# Altium PCB MFC-Card-Template.PcbDoc (part 1 of 4) (continued)
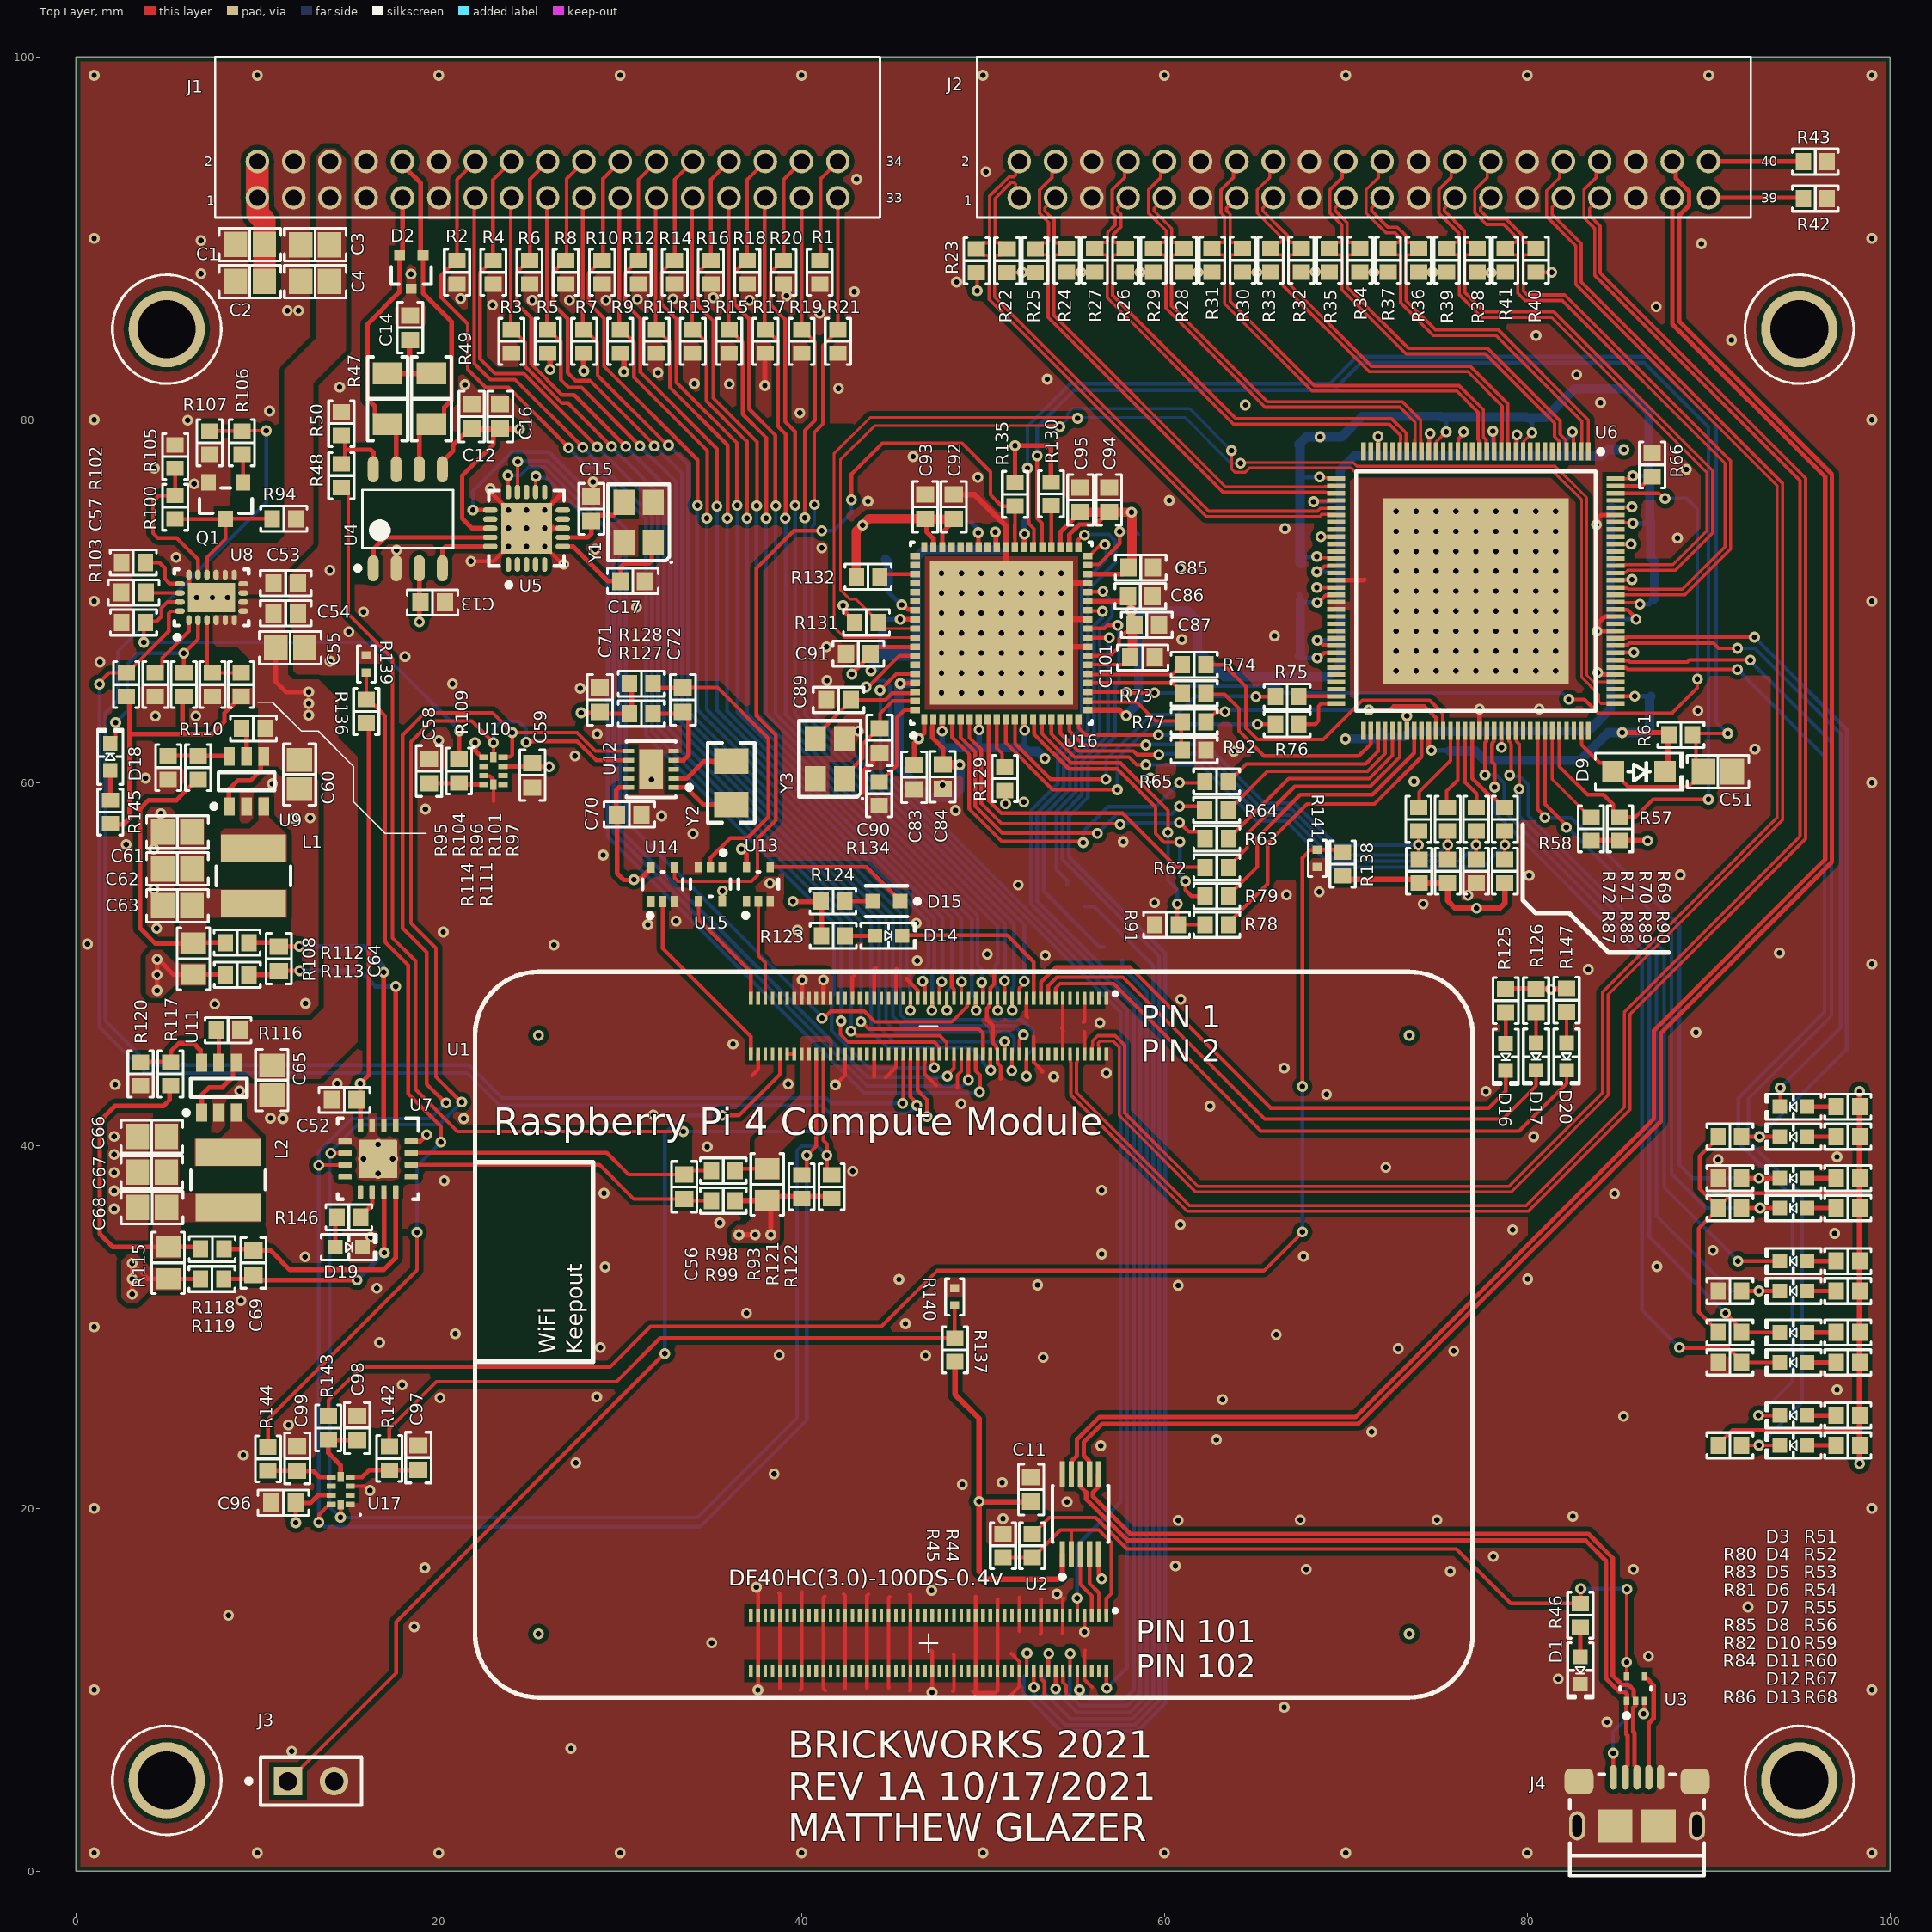
[diagram p0: Top Layer view]
## Components (designator, comment, footprint, x,y, rotation, side; value= is the part's Value field where it differs from the comment) (continued)
Y1 "16MHz" "EPSON TSX-3225" 31.015,74.35 r90 top
Y2 "32.768kHz" "ABRACON ABS07" 36.119,59.995 r270 top
Y3 "25MHz" "EPSON TSX-3225" 41.554,61.316 r90 top

## Footprints (in the part's own frame and the unit in brackets; to place one, negate y for a bottom-side part, rotate by r counter-clockwise, add the part's x,y. Pads: shape width x height; smd on the part's side, far side on the other; paste and mask are expansions set on the pad)
0878333420 [mm] "34 pin milli-grid header, right-angle"
  round 1.3 hole 0.9: 1(0,-2) 2(0,0) 3(2,-2) 4(2,0) 5(4,-2) 6(4,0) 7(6,-2) 8(6,0) 9(8,-2) 10(8,0) 11(10,-2) 12(10,0) 13(12,-2) 14(12,0) 15(14,-2) 16(14,0) 17(16,-2) 18(16,0) 19(18,-2) 20(18,0) 21(20,-2) 22(20,0) 23(22,-2) 24(22,0) 25(24,-2) 26(24,0) 27(26,-2) 28(26,0) 29(28,-2) 30(28,0) 31(30,-2) 32(30,0) 33(32,-2) 34(32,0)
  silkscreen extent -2.32,-3.09 34.33,5.75, body extent -2.32,-2.25 34.33,6.4, height 6.35
0878334020 [mm] "40 pin milli-grid header, right-angle"
  round 1.3 hole 0.9: 1(0,-2) 2(0,0) 3(2,-2) 4(2,0) 5(4,-2) 6(4,0) 7(6,-2) 8(6,0) 9(8,-2) 10(8,0) 11(10,-2) 12(10,0) 13(12,-2) 14(12,0) 15(14,-2) 16(14,0) 17(16,-2) 18(16,0) 19(18,-2) 20(18,0) 21(20,-2) 22(20,0) 23(22,-2) 24(22,0) 25(24,-2) 26(24,0) 27(26,-2) 28(26,0) 29(28,-2) 30(28,0) 31(30,-2) 32(30,0) 33(32,-2) 34(32,0) 35(34,-2) 36(34,0) 37(36,-2) 38(36,0) 39(38,-2) 40(38,0)
  silkscreen extent -2.32,-3.09 40.32,5.75, body extent -2.32,-2.25 40.33,6.4, height 6.35
"ABRACON ABS07" [mm] "Crystal, 2-Leads, Body 3.20x1.50mm, IPC Medium Density"
  rect 1.4x1.9 smd: 1(-1.2,0) 2(1.2,0)
  silkscreen extent -2.2,-1.3 2.2,1.3, body extent -1.62,-0.77 1.63,0.78, height 0.9
"BOURNS SRN4018" [mm] "Power Inductor, 2-Leads, Bourns, SRN4018-220M"
  rect 1.5x3.6 smd: 1(-1.525,0) 2(1.525,0)
  silkscreen extent -0.53,-2.05 0.53,2.05, body extent -2.05,-2.05 2.05,2.05, height 1.8
"CAP 0603_1608" [mm] "Chip Capacitor, 2-Leads, Body 1.60x0.80mm, IPC Medium Density"
  rect 0.9x1 smd: 1(-0.675,0) 2(0.675,0)
  silkscreen extent -1.4,-0.7 1.4,0.7, body extent -0.8,-0.41 0.8,0.41, height 0.82
"CAP 0805_2012" [mm] "Chip Capacitor, 2-Leads, Body 2.00x1.20mm, IPC Medium Density"
  rect 1.3x1.4 smd: 1(-0.8,0) 2(0.8,0)
  silkscreen extent -1.7,-0.9 1.7,0.9, body extent -1,-0.64 1,0.64, height 1.26
"EPSON TSX-3225" [mm] "Crystal, 4-Leads, Body 2.50x3.20mm, Pitch 2.20mm, IPC Medium Density"
  rect 1.4x1.15 smd: 1(-1.1,-0.8) 2(1.1,-0.8) 3(1.1,0.8) 4(-1.1,0.8)
  silkscreen extent -2.25,-1.85 2.1,1.7, body extent -1.61,-1.26 1.61,1.26, height 0.6
"FCI USB 10118193-0001LF" [mm] "USB 2.0 Type B Micro"
  oval 0.4x1.35 smd: 1(1.3,-2.625) 2(0.65,-2.625) 3(0,-2.625) 4(-0.65,-2.625) 5(-1.3,-2.625)
  oval 0.9x1.6 hole 0.5 slot 1.2 at 90 deg: S(-3.3,0.05) S(3.3,0.05)
  rrect50% 1.6x1.4 smd: S(-3.2,-2.4) S(3.2,-2.4)
  rect 1.9x1.8 smd: S(-1.2,0.05) S(1.2,0.05)
  silkscreen extent -3.7,-2.8 3.7,2.8, body extent -3.93,-2.9 3.93,2.76, height 2.78
FP-846AP-MFG [mm]
  rect 1.4x0.3 smd paste+0 mask+0: 1(-2.2,1) 2(-2.2,0.5) 3(-2.2,0) 4(-2.2,-0.5) 5(-2.2,-1) 6(2.2,-1) 7(2.2,-0.5) 8(2.2,0) 9(2.2,0.5) 10(2.2,1)
  silkscreen extent -3.6,-1.55 1.55,1.55, body extent -3,-1.65 3,1.65, height 0.25
FP-C04-126-MFG [mm]
  rrect100% 0.8x0.3 smd paste+0 mask+0: 1(-2,1) 2(-2,0.5) 3(-2,0) 4(-2,-0.5) 5(-2,-1) 11(2,-1) 12(2,-0.5) 13(2,0) 14(2,0.5) 15(2,1)
  rrect100% 0.3x0.8 smd paste+0 mask+0: 6(-1,-2) 7(-0.5,-2) 8(0,-2) 9(0.5,-2) 10(1,-2) 16(1,2) 17(0.5,2) 18(0,2) 19(-0.5,2) 20(-1,2)
  rect 2.8x2.8 smd paste+0 mask+0: 21(0,0)
  silkscreen extent -3.25,-2.07 2.07,2.07, body extent -2.5,-2.5 2.5,2.5, height 0.25
FP-DRL0005A-MFG [mm]
  rect 0.3x0.45 smd paste-1000 mask-1000: 1(-0.5,-0.675) 2(0,-0.675) 3(0.5,-0.675) 4(0.5,0.675) 5(-0.5,0.675)
  silkscreen extent -0.85,-1.62 0.85,0.08, body extent -1.1,-1.05 1.1,1.05, height 0.25
FP-LTST-C190KFKT-MFG [mm]
  rect 0.8x0.8 smd paste+0 mask+0: 1(-0.75,0) 2(0.75,0)
  silkscreen extent -1.83,-0.85 1.15,0.85, body extent -1.25,-0.55 1.25,0.55, height 0.25
FP-M20-9990246-MFG [mm]
  rect 1.57x1.57 hole 1.02 paste-1000 mask+0: 1(-1.27,0)
  round 1.57 hole 1.02 paste-1000 mask+0: 2(1.27,0)
  silkscreen extent -3.55,-1.32 2.79,1.32, body extent -2.89,-1.42 2.89,1.42, height 0.25
FP-SOT323-MFG [mm]
  rect 0.55x0.6 smd paste-1000 mask+0: 1(-0.925,0.65) 2(-0.925,-0.65) 3(0.925,0)
  silkscreen extent -0.28,-1.1 0.67,1.1, body extent -1.33,-1.2 1.33,1.2, height 0.25
FP-SOT353-MFG [mm]
  rect 0.6x0.42 smd paste+0 mask+0: 1(-0.95,0.65) 2(-0.95,0) 3(-0.95,-0.65) 4(0.95,-0.65) 5(0.95,0.65)
  silkscreen extent -1.85,-1.1 0.67,1.1, body extent -1.35,-1.2 1.35,1.2, height 0.25
FP-SOT1197-1-MFG [mm]
  rect 0.575x0.25 smd paste+0 mask+0: 1(-1.238,1) 2(-1.238,0.5) 3(-1.238,0) 4(-1.238,-0.5) 5(-1.238,-1) 6(1.238,-1) 7(1.238,-0.5) 8(1.238,0) 9(1.238,0.5) 10(1.238,1)
  rect 1.3x2.2 smd paste-1000 mask+0: 11(0,0)
  silkscreen extent -2.23,-1.55 1.35,1.55, body extent -1.65,-1.45 1.65,1.45, height 0.25
"LED 0603_1608 GREEN" [mm] "Chip Diode, 2-Leads, Body 1.60x0.80mm, IPC Medium Density"
  rect 0.8x0.8 smd: 1(-0.75,0) 2(0.75,0)
  silkscreen extent -1.52,-0.7 1.52,0.7, body extent -0.8,-0.4 0.8,0.4, height 0.53
"LED 0603_1608 YELLOW" [mm] "Chip Diode, 2-Leads, Body 1.60x0.80mm, IPC Medium Density"
  rect 0.8x0.8 smd: 1(-0.75,0) 2(0.75,0)
  silkscreen extent -1.52,-0.7 1.52,0.7, body extent -0.8,-0.4 0.8,0.4, height 0.53
"ON SEMI SOT-23-3" [mm] "SOT23, 3-Leads, Body 2.90x2.40mm, Pitch 0.95mm, IPC Medium Density"
  rect 0.9x0.8 smd: 1(-1,0.95) 2(-1,-0.95) 3(1,0)
  silkscreen extent -0.7,-1.45 0.7,1.45, body extent -1.16,-1.45 1.16,1.45, height 1
"PCB - LEADLESS - QFN - MICROCHIP 72-SQFN" [mm]
  rect 0.55x0.35 smd: 1(-4.75,4.25) 2(-4.75,3.75) 3(-4.75,3.25) 4(-4.75,2.75) 5(-4.75,2.25) 6(-4.75,1.75) 7(-4.75,1.25) 8(-4.75,0.75) 9(-4.75,0.25) 10(-4.75,-0.25) 11(-4.75,-0.75) 12(-4.75,-1.25) 13(-4.75,-1.75) 14(-4.75,-2.25) 15(-4.75,-2.75) 16(-4.75,-3.25) 17(-4.75,-3.75) 18(-4.75,-4.25) 37(4.75,-4.25) 38(4.75,-3.75) 39(4.75,-3.25) 40(4.75,-2.75) 41(4.75,-2.25) 42(4.75,-1.75) 43(4.75,-1.25) 44(4.75,-0.75) 45(4.75,-0.25) 46(4.75,0.25) 47(4.75,0.75) 48(4.75,1.25) 49(4.75,1.75) 50(4.75,2.25) 51(4.75,2.75) 52(4.75,3.25) 53(4.75,3.75) 54(4.75,4.25)
  rect 0.35x0.55 smd: 19(-4.25,-4.75) 20(-3.75,-4.75) 21(-3.25,-4.75) 22(-2.75,-4.75) 23(-2.25,-4.75) 24(-1.75,-4.75) 25(-1.25,-4.75) 26(-0.75,-4.75) 27(-0.25,-4.75) 28(0.25,-4.75) 29(0.75,-4.75) 30(1.25,-4.75) 31(1.75,-4.75) 32(2.25,-4.75) 33(2.75,-4.75) 34(3.25,-4.75) 35(3.75,-4.75) 36(4.25,-4.75) 55(4.25,4.75) 56(3.75,4.75) 57(3.25,4.75) 58(2.75,4.75) 59(2.25,4.75) 60(1.75,4.75) 61(1.25,4.75) 62(0.75,4.75) 63(0.25,4.75) 64(-0.25,4.75) 65(-0.75,4.75) 66(-1.25,4.75) 67(-1.75,4.75) 68(-2.25,4.75) 69(-2.75,4.75) 70(-3.25,4.75) 71(-3.75,4.75) 72(-4.25,4.75)
  rect 7.9x7.9 smd: 73(0,0)
  silkscreen extent -5.77,-5 5,5, body extent -5,-5 5,5, height 0.99
"PCB - LEADLESS - QFN - TI 20-WQFN" [mm] "PQFN, 20-Leads, Body 3.00x4.00mm, Pitch 0.50mm, Thermal Pad 1.60x2.60mm, IPC Medium Density"
  oval 0.55x0.3 smd: 1(-1.25,1.25) 2(-1.25,0.75) 3(-1.25,0.25) 4(-1.25,-0.25) 5(-1.25,-0.75) 6(-1.25,-1.25) 11(1.25,-1.25) 12(1.25,-0.75) 13(1.25,-0.25) 14(1.25,0.25) 15(1.25,0.75) 16(1.25,1.25)
  oval 0.3x0.55 smd: 7(-0.75,-1.75) 8(-0.25,-1.75) 9(0.25,-1.75) 10(0.75,-1.75) 17(0.75,1.75) 18(0.25,1.75) 19(-0.25,1.75) 20(-0.75,1.75)
  rect 1.6x2.6 smd: 21(0,0)
  silkscreen extent -2.32,-2.05 1.55,2.05, body extent -1.5,-2 1.5,2, height 0.8
"PCB - LEADLESS - QFN - TI X2QFN-10" [mm]
  rect 0.5x0.3 smd: 1(-0.525,0.75) 2(-0.525,0.25) 3(-0.525,-0.25) 4(-0.525,-0.75) 6(0.525,-0.75) 7(0.525,-0.25) 8(0.525,0.25) 9(0.525,0.75)
  rect 0.35x0.55 smd: 5(0,-0.75) 10(0,0.75)
  silkscreen extent -1.12,1.28 -1.02,1.37, body extent -0.75,-1 0.75,1, height 0.4
"PCB - LEADS - QFP - Microchip 128-TQFP" [mm]
  rect 1x0.25 smd: 1(-7.7,6.2) 2(-7.7,5.8) 3(-7.7,5.4) 4(-7.7,5) 5(-7.7,4.6) 6(-7.7,4.2) 7(-7.7,3.8) 8(-7.7,3.4) 9(-7.7,3) 10(-7.7,2.6) 11(-7.7,2.2) 12(-7.7,1.8) 13(-7.7,1.4) 14(-7.7,1) 15(-7.7,0.6) 16(-7.7,0.2) 17(-7.7,-0.2) 18(-7.7,-0.6) 19(-7.7,-1) 20(-7.7,-1.4) 21(-7.7,-1.8) 22(-7.7,-2.2) 23(-7.7,-2.6) 24(-7.7,-3) 25(-7.7,-3.4) 26(-7.7,-3.8) 27(-7.7,-4.2) 28(-7.7,-4.6) 29(-7.7,-5) 30(-7.7,-5.4) 31(-7.7,-5.8) 32(-7.7,-6.2) 65(7.7,-6.2) 66(7.7,-5.8) 67(7.7,-5.4) 68(7.7,-5) 69(7.7,-4.6) 70(7.7,-4.2) 71(7.7,-3.8) 72(7.7,-3.4) 73(7.7,-3) 74(7.7,-2.6) 75(7.7,-2.2) 76(7.7,-1.8) 77(7.7,-1.4) 78(7.7,-1) 79(7.7,-0.6) 80(7.7,-0.2) 81(7.7,0.2) 82(7.7,0.6) 83(7.7,1) 84(7.7,1.4) 85(7.7,1.8) 86(7.7,2.2) 87(7.7,2.6) 88(7.7,3) 89(7.7,3.4) 90(7.7,3.8) 91(7.7,4.2) 92(7.7,4.6) 93(7.7,5) 94(7.7,5.4) 95(7.7,5.8) 96(7.7,6.2)
  rect 0.25x1 smd: 33(-6.2,-7.7) 34(-5.8,-7.7) 35(-5.4,-7.7) 36(-5,-7.7) 37(-4.6,-7.7) 38(-4.2,-7.7) 39(-3.8,-7.7) 40(-3.4,-7.7) 41(-3,-7.7) 42(-2.6,-7.7) 43(-2.2,-7.7) 44(-1.8,-7.7) 45(-1.4,-7.7) 46(-1,-7.7) 47(-0.6,-7.7) 48(-0.2,-7.7) 49(0.2,-7.7) 50(0.6,-7.7) 51(1,-7.7) 52(1.4,-7.7) 53(1.8,-7.7) 54(2.2,-7.7) 55(2.6,-7.7) 56(3,-7.7) 57(3.4,-7.7) 58(3.8,-7.7) 59(4.2,-7.7) 60(4.6,-7.7) 61(5,-7.7) 62(5.4,-7.7) 63(5.8,-7.7) 64(6.2,-7.7) 97(6.2,7.7) 98(5.8,7.7) 99(5.4,7.7) 100(5,7.7) 101(4.6,7.7) 102(4.2,7.7) 103(3.8,7.7) 104(3.4,7.7) 105(3,7.7) 106(2.6,7.7) 107(2.2,7.7) 108(1.8,7.7) 109(1.4,7.7) 110(1,7.7) 111(0.6,7.7) 112(0.2,7.7) 113(-0.2,7.7) 114(-0.6,7.7) 115(-1,7.7) 116(-1.4,7.7) 117(-1.8,7.7) 118(-2.2,7.7) 119(-2.6,7.7) 120(-3,7.7) 121(-3.4,7.7) 122(-3.8,7.7) 123(-4.2,7.7) 124(-4.6,7.7) 125(-5,7.7) 126(-5.4,7.7) 127(-5.8,7.7) 128(-6.2,7.7)
  rect 10.25x10.25 smd: 129(0,0)
  silkscreen extent -7.82,-6.6 6.6,7, body extent -8,-8 8,8, height 1.2
"PCB - LEADS - SOIC - TI SOIC-8" [mm] "SOIC, 8-Leads, Body 4.91x3.90mm, Pitch 1.27mm, IPC Medium Density"
  oval 1.45x0.6 smd: 1(-2.725,1.905) 2(-2.725,0.635) 3(-2.725,-0.635) 4(-2.725,-1.905) 5(2.725,-1.905) 6(2.725,-0.635) 7(2.725,0.635) 8(2.725,1.905)
  silkscreen extent -2.85,-2.5 1.6,2.88, body extent -3.01,-2.45 3.01,2.45, height 1.63
"PCB - LEADS - SOT- TI TSOT-23-6" [mm]
  rect 1x0.6 smd: 1(-1.375,0.95) 2(-1.375,0) 3(-1.375,-0.95) 4(1.375,-0.95) 5(1.375,0) 6(1.375,0.95)
  silkscreen extent -1.5,-1.55 0.5,1.92, body extent -1.4,-1.45 1.4,1.45, height 1.1
"PCB - SOM - PI4 COMPUTE MODULE" [mm]
  rect 0.2x0.7 smd: 1(34.8,38.54) 2(34.8,35.46) 3(34.4,38.54) 4(34.4,35.46) 5(34,38.54) 6(34,35.46) 7(33.6,38.54) 8(33.6,35.46) 9(33.2,38.54) 10(33.2,35.46) 11(32.8,38.54) 12(32.8,35.46) 13(32.4,38.54) 14(32.4,35.46) 15(32,38.54) 16(32,35.46) 17(31.6,38.54) 18(31.6,35.46) 19(31.2,38.54) 20(31.2,35.46) 21(30.8,38.54) 22(30.8,35.46) 23(30.4,38.54) 24(30.4,35.46) 25(30,38.54) 26(30,35.46) 27(29.6,38.54) 28(29.6,35.46) 29(29.2,38.54) 30(29.2,35.46) 31(28.8,38.54) 32(28.8,35.46) 33(28.4,38.54) 34(28.4,35.46) 35(28,38.54) 36(28,35.46) 37(27.6,38.54) 38(27.6,35.46) 39(27.2,38.54) 40(27.2,35.46) 41(26.8,38.54) 42(26.8,35.46) 43(26.4,38.54) 44(26.4,35.46) 45(26,38.54) 46(26,35.46) 47(25.6,38.54) 48(25.6,35.46) 49(25.2,38.54) 50(25.2,35.46) 51(24.8,38.54) 52(24.8,35.46) 53(24.4,38.54) 54(24.4,35.46) 55(24,38.54) 56(24,35.46) 57(23.6,38.54) 58(23.6,35.46) 59(23.2,38.54) 60(23.2,35.46) 61(22.8,38.54) 62(22.8,35.46) 63(22.4,38.54) 64(22.4,35.46) 65(22,38.54) 66(22,35.46) 67(21.6,38.54) 68(21.6,35.46) 69(21.2,38.54) 70(21.2,35.46) 71(20.8,38.54) 72(20.8,35.46) 73(20.4,38.54) 74(20.4,35.46) 75(20,38.54) 76(20,35.46) 77(19.6,38.54) 78(19.6,35.46) 79(19.2,38.54) 80(19.2,35.46) 81(18.8,38.54) 82(18.8,35.46) 83(18.4,38.54) 84(18.4,35.46) 85(18,38.54) 86(18,35.46) 87(17.6,38.54) 88(17.6,35.46) 89(17.2,38.54) 90(17.2,35.46) 91(16.8,38.54) 92(16.8,35.46) 93(16.4,38.54) 94(16.4,35.46) 95(16,38.54) 96(16,35.46) 97(15.6,38.54) 98(15.6,35.46) 99(15.2,38.54) 100(15.2,35.46) 101(34.8,4.54) 102(34.8,1.46) 103(34.4,4.54) 104(34.4,1.46) 105(34,4.54) 106(34,1.46) 107(33.6,4.54) 108(33.6,1.46) 109(33.2,4.54) 110(33.2,1.46) 111(32.8,4.54) 112(32.8,1.46) 113(32.4,4.54) 114(32.4,1.46) 115(32,4.54) 116(32,1.46) 117(31.6,4.54) 118(31.6,1.46) 119(31.2,4.54) 120(31.2,1.46) 121(30.8,4.54) 122(30.8,1.46) 123(30.4,4.54) 124(30.4,1.46) 125(30,4.54) 126(30,1.46) 127(29.6,4.54) 128(29.6,1.46) 129(29.2,4.54) 130(29.2,1.46) 131(28.8,4.54) 132(28.8,1.46) 133(28.4,4.54) 134(28.4,1.46) 135(28,4.54) 136(28,1.46) 137(27.6,4.54) 138(27.6,1.46) 139(27.2,4.54) 140(27.2,1.46) 141(26.8,4.54) 142(26.8,1.46) 143(26.4,4.54) 144(26.4,1.46) 145(26,4.54) 146(26,1.46) 147(25.6,4.54) 148(25.6,1.46) 149(25.2,4.54) 150(25.2,1.46) 151(24.8,4.54) 152(24.8,1.46) 153(24.4,4.54) 154(24.4,1.46) 155(24,4.54) 156(24,1.46) 157(23.6,4.54) 158(23.6,1.46) 159(23.2,4.54) 160(23.2,1.46) 161(22.8,4.54) 162(22.8,1.46) 163(22.4,4.54) 164(22.4,1.46) 165(22,4.54) 166(22,1.46) 167(21.6,4.54) 168(21.6,1.46) 169(21.2,4.54) 170(21.2,1.46) 171(20.8,4.54) 172(20.8,1.46) 173(20.4,4.54) 174(20.4,1.46) 175(20,4.54) 176(20,1.46) 177(19.6,4.54) 178(19.6,1.46) 179(19.2,4.54) 180(19.2,1.46) 181(18.8,4.54) 182(18.8,1.46) 183(18.4,4.54) 184(18.4,1.46) 185(18,4.54) 186(18,1.46) 187(17.6,4.54) 188(17.6,1.46) 189(17.2,4.54) 190(17.2,1.46) 191(16.8,4.54) 192(16.8,1.46) 193(16.4,4.54) 194(16.4,1.46) 195(16,4.54) 196(16,1.46) 197(15.6,4.54) 198(15.6,1.46) 199(15.2,4.54) 200(15.2,1.46)
  silkscreen extent 0,0 55,40, body extent 0.72,0.72 54.28,39.28, height 3.03
"PTC 0402_1005" [mm] "Chip Thermistor, 2-Leads, Body 1.02x0.51mm, IPC Medium Density"
  rect 0.45x0.5 smd: 1(-0.475,0) 2(0.475,0)
  silkscreen extent -1,-0.5 1,0.5, body extent -0.5,-0.26 0.5,0.26, height 0.52
"RES 0603_1608" [mm] "Chip Resistor, 2-Leads, Body 1.60x0.80mm, IPC Medium Density"
  rect 0.85x0.95 smd: 1(-0.65,0) 2(0.65,0)
  silkscreen extent -1.27,-0.7 1.27,0.7, body extent -0.8,-0.4 0.8,0.4, height 0.45
"RES 0805_2012" [mm] "Chip Resistor, 2-Leads, Body 2.00x1.25mm, IPC Medium Density"
  rect 1.15x1.35 smd: 1(-0.875,0) 2(0.875,0)
  silkscreen extent -1.7,-0.9 1.7,0.9, body extent -1,-0.62 1,0.63, height 0.6
"RES 1206_3216" [mm] "Chip Resistor, 2-Leads, Body 3.13x1.55mm, IPC Medium Density"
  rect 1.2x1.65 smd: 1(-1.4,0) 2(1.4,0)
  silkscreen extent -2.3,-1.1 2.3,1.1, body extent -1.6,-0.8 1.6,0.8, height 0.6
RGV0016A_V [mm] "QFN, 16-Leads, Body 4x4mm, Pitch 0.65mm, Thermal Pad 2.16x2.16mm, TI Recommended"
  rrect33% 0.75x0.3 smd: 1(-1.825,0.975) 2(-1.825,0.325) 3(-1.825,-0.325) 4(-1.825,-0.975) 9(1.825,-0.975) 10(1.825,-0.325) 11(1.825,0.325) 12(1.825,0.975)
  rrect33% 0.3x0.75 smd: 5(-0.975,-1.825) 6(-0.325,-1.825) 7(0.325,-1.825) 8(0.975,-1.825) 13(0.975,1.825) 14(0.325,1.825) 15(-0.325,1.825) 16(-0.975,1.825)
  rrect11% 0.939x0.939 on Top Paste: 17(-0.57,0.57) 17(-0.57,-0.57) 17(0.57,0.57) 17(0.57,-0.57)
  rrect5% 2.1x2.1 smd paste-1.08: 17(0,0)
  silkscreen extent -2.22,-2.22 2.22,2.22, body extent -2.07,-2.07 2.07,2.07, height 1.01
SOD123F [mm] "SODFL, 2-Leads, Body 1.60x3.50mm, IPC Medium Density"
  rect 1.2x1.2 smd: 1(-1.43,0) 2(1.43,0)
  silkscreen extent -2.41,-1.02 2.41,1.02, body extent -1.75,-0.8 1.75,0.8, height 1.1

## Part data
C1 C2 C3 C4 C18 C51 C55 C60 C61 C62 C63 C65 C66 C67 C68 C73 C80: library part CC0805KKX5R7BB106, "CAP CER 10UF 16V X5R 0805", Device Package="0805 (2012 Metric)", Manufacturer=Yageo, Operating Temperature="-55°C ~ 85°C", Supplier Part Number 1=311-1865-1-ND, Temperature Coefficient=X5R, Tolerance=±10%, Voltage - Rated=16V, Applications="General Purpose", Capacitance=10µF, ComponentLink1Description=Datasheet, ComponentLink1URL=https://www.yageo.com/upload/media/product/productsearch/datasheet/mlcc/UPY-GPHC_X5R_4V-to-50V_25.pdf, ComponentLink2Description="DigiKey Link", ComponentLink2URL=http://digikey.com/product-detail/en/yageo/CC0805KKX5R7BB106/311-1865-1-ND/5195767, LastUpdated="9/2/2020 1:04:30 AM", Lifecycle Status=Active, Minimum Order=1, Mounting Type="Surface Mount, MLCC", Package / Case="0805 (2012 Metric)", Packaging=TapeAndReel, PartId=8867, Part Number=CC0805KKX5R7BB106, Part Status=Active, Price=0.09, Series=CC, Size / Dimension="0.079\" L x 0.049\" W (2.00mm x 1.25mm)", Supplier 1=DigiKey, Thickness (Max)="0.057\" (1.45mm)"
C5 C6 C10 C11 C12 C13 C16 C19 C20 C21 C22 C24 C25 C26 C27 C28 C29 C30 C31 C32 C34 C35 C36 C37 C38 C39 C40 C42 C43 C44 C45 C46 C47 C48 C49 C50 C52 C53 C54 C56 C59 C64 C69 C70 C71 C72 C74 C75 C77 C78 C79 C81 C82 C83 C84 C85 C86 C87 C88 C91 C92 C93 C94 C95 C96 C100 C101: library part CL10B104KA8WPNC, "CAP CER 0.1UF 25V X7R 0603", Device Package="0603 (1608 Metric)", Manufacturer="Samsung Electro-Mechanics", Operating Temperature="-55°C ~ 125°C", Ratings=AEC-Q200, Supplier Part Number 1=1276-6717-1-ND, Temperature Coefficient=X7R, Tolerance=±10%, Voltage - Rated=25V, Applications=Automotive, Capacitance=0.1µF, ComponentLink1Description=Datasheet, ComponentLink1URL=http://www.samsungsem.com/kr/support/product-search/mlcc/CL10B104KA8WPNC.jsp, ComponentLink2Description="DigiKey Link", ComponentLink2URL=http://digikey.com/product-detail/en/samsung-electro-mechanics/CL10B104KA8WPNC/1276-6717-1-ND/5961576, Features="Open Mode", LastUpdated="9/2/2020 1:03:30 AM", Lifecycle Status=Active, Minimum Order=1, Mounting Type="Surface Mount, MLCC", Package / Case="0603 (1608 Metric)", Packaging=TapeAndReel, Part Number=CL10B104KA8WPNC, Part Status=Active, PartId=5631, Price=0.02, Series=CL, Size / Dimension="0.063\" L x 0.031\" W (1.60mm x 0.80mm)", Supplier 1=DigiKey, Thickness (Max)="0.035\" (0.90mm)"
C14: library part VJ0603Y472KXACW1BC, "CAP CER 4700PF 50V X7R 0603", Device Package="0603 (1608 Metric)", Manufacturer="Vishay Vitramon", Operating Temperature="-55°C ~ 125°C", Supplier Part Number 1=720-1530-1-ND, Temperature Coefficient=X7R, Tolerance=±10%, Voltage - Rated=50V, Applications="General Purpose", Capacitance=4700pF, ComponentLink1Description=Datasheet, ComponentLink1URL=https://www.vishay.com/docs/28548/vjw1bcbascomseries.pdf, ComponentLink2Description="DigiKey Link", ComponentLink2URL=http://digikey.com/product-detail/en/vishay-vitramon/VJ0603Y472KXACW1BC/720-1530-1-ND/421007, LastUpdated="9/2/2020 1:03:13 AM", Lifecycle Status=Active, Minimum Order=1, Mounting Type="Surface Mount, MLCC", Package / Case="0603 (1608 Metric)", Packaging=TapeAndReel, PartId=14247, Part Number=VJ0603Y472KXACW1BC, Part Status=Active, Price=0.01, Series=VJ, Size / Dimension="0.063\" L x 0.031\" W (1.60mm x 0.80mm)", Supplier 1=DigiKey, Thickness (Max)="0.035\" (0.90mm)"
C15 C17: library part CML0603C0G200JT50V, "CAP CER 20PF 50V C0G/NP0 0603", Device Package="0603 (1608 Metric)", Manufacturer="Stackpole Electronics Inc", Operating Temperature="-55°C ~ 125°C", Supplier Part Number 1=738-CML0603C0G200JT50VCT-ND, Temperature Coefficient="C0G, NP0", Tolerance=±5%, Voltage - Rated=50V, Applications="General Purpose", Capacitance=20pF, ComponentLink1Description=Datasheet, ComponentLink1URL=http://www.seielect.com/Catalog/SEI-CML.PDF, ComponentLink2Description="DigiKey Link", ComponentLink2URL=http://digikey.com/product-detail/en/stackpole-electronics-inc/CML0603C0G200JT50V/738-CML0603C0G200JT50VCT-ND/10660186, LastUpdated="9/2/2020 1:03:28 AM", Lifecycle Status=Active, Minimum Order=1, Mounting Type="Surface Mount, MLCC", Package / Case="0603 (1608 Metric)", Packaging=Unknown, PartId=26340, Part Number=CML0603C0G200JT50V, Part Status=Active, Price=0.01, Series=CML_C0G, Supplier 1=DigiKey
C23 C33 C41 C76: library part CL21A226KPCLRNC, "CAP CER 22UF 10V X5R 0805", Device Package="0805 (2012 Metric)", Manufacturer="Samsung Electro-Mechanics", Operating Temperature="-55°C ~ 85°C", Supplier Part Number 1=1276-6786-1-ND, Temperature Coefficient=X5R, Tolerance=±10%, Voltage - Rated=10V, Applications="General Purpose", Capacitance=22µF, ComponentLink1Description=Datasheet, ComponentLink1URL=http://www.samsungsem.com/kr/support/product-search/mlcc/CL21A226KPCLRNC.jsp, ComponentLink2Description="DigiKey Link", ComponentLink2URL=http://digikey.com/product-detail/en/samsung-electro-mechanics/CL21A226KPCLRNC/1276-6786-1-ND/5961645, Features="Low Profile", LastUpdated="9/2/2020 1:04:38 AM", Lifecycle Status=Active, Minimum Order=1, Mounting Type="Surface Mount, MLCC", Package / Case="0805 (2012 Metric)", Packaging=TapeAndReel, PartId=4833, Part Number=CL21A226KPCLRNC, Part Status=Active, Price=0.08, Series=CL, Size / Dimension="0.079\" L x 0.049\" W (2.00mm x 1.25mm)", Supplier 1=DigiKey, Thickness (Max)="0.037\" (0.95mm)"
C57: library part CC0603JRX7R8BB152, "CAP CER 1500PF 25V X7R 0603", Device Package="0603 (1608 Metric)", Manufacturer=Yageo, Operating Temperature="-55°C ~ 125°C", Supplier Part Number 1=311-3996-1-ND, Temperature Coefficient=X7R, Tolerance=±5%, Voltage - Rated=25V, Applications="General Purpose", Capacitance=1500pF, ComponentLink1Description=Datasheet, ComponentLink1URL=https://www.yageo.com/upload/media/product/productsearch/datasheet/mlcc/UPY-GPHC_X7R_6.3V-to-50V_18.pdf, ComponentLink2Description="DigiKey Link", ComponentLink2URL=http://digikey.com/product-detail/en/yageo/CC0603JRX7R8BB152/311-3996-1-ND/8025085, LastUpdated="9/2/2020 1:03:18 AM", Lifecycle Status=Active, Minimum Order=1, Mounting Type="Surface Mount, MLCC", Package / Case="0603 (1608 Metric)", Packaging=TapeAndReel, PartId=12307, Part Number=CC0603JRX7R8BB152, Part Status=Active, Price=0.02, Series=CC, Size / Dimension="0.063\" L x 0.031\" W (1.60mm x 0.80mm)", Supplier 1=DigiKey, Thickness (Max)="0.035\" (0.90mm)"
C58 C97 C98 C99: library part C0603C474K4PACTU, "CAP CER 0.47UF 16V X5R 0603", Device Package="0603 (1608 Metric)", Manufacturer=KEMET, Operating Temperature="-55°C ~ 85°C", Supplier Part Number 1=399-7934-1-ND, Temperature Coefficient=X5R, Tolerance=±10%, Voltage - Rated=16V, Applications="General Purpose", Capacitance=0.47µF, ComponentLink1Description=Datasheet, ComponentLink1URL=https://api.kemet.com/component-edge/download/datasheet/C0603C474K4PACTU.pdf, ComponentLink2Description="DigiKey Link", ComponentLink2URL=http://digikey.com/product-detail/en/kemet/C0603C474K4PACTU/399-7934-1-ND/3471657, LastUpdated="9/2/2020 1:03:36 AM", Lifecycle Status=Active, Minimum Order=1, Mounting Type="Surface Mount, MLCC", Package / Case="0603 (1608 Metric)", Packaging=TapeAndReel, PartId=2292, Part Number=C0603C474K4PACTU, Part Status=Active, Price=0.02, Series="SMD Comm X5R", Size / Dimension="0.063\" L x 0.031\" W (1.60mm x 0.80mm)", Supplier 1=DigiKey, Thickness (Max)="0.034\" (0.87mm)"
C89 C90: library part CL10C240JB8NNNC, "CAP CER 24PF 50V C0G/NP0 0603", Device Package="0603 (1608 Metric)", Manufacturer="Samsung Electro-Mechanics", Operating Temperature="-55°C ~ 125°C", Supplier Part Number 1=1276-1761-1-ND, Temperature Coefficient="C0G, NP0", Tolerance=±5%, Voltage - Rated=50V, Applications="General Purpose", Capacitance=24pF, ComponentLink1Description=Datasheet, ComponentLink1URL=http://www.samsungsem.com/kr/support/product-search/mlcc/CL10C240JB8NNNC.jsp, ComponentLink2Description="DigiKey Link", ComponentLink2URL=http://digikey.com/product-detail/en/samsung-electro-mechanics/CL10C240JB8NNNC/1276-1761-1-ND/3889847, LastUpdated="9/2/2020 1:03:22 AM", Lifecycle Status=Active, Minimum Order=1, Mounting Type="Surface Mount, MLCC", Package / Case="0603 (1608 Metric)", Packaging=TapeAndReel, PartId=10003, Part Number=CL10C240JB8NNNC, Part Status=Active, Price=0.01, Series=CL, Size / Dimension="0.063\" L x 0.031\" W (1.60mm x 0.80mm)", Supplier 1=DigiKey, Thickness (Max)="0.035\" (0.90mm)"
D1 D4 D6 D8 D11 D13 D14 D18 D19 D20: library part LTST-C193KGKT-5A, "LED GREEN CLEAR CHIP SMD", Current - Test=5mA, Device Package="0603 (1608 Metric)", Lens Color=Colorless, Manufacturer="Lite-On Inc.", Millicandela Rating=16.25mcd, Supplier Device Package="Chip LED", Supplier Part Number 1=160-1828-1-ND, Voltage - Forward (Vf) (Typ)=2V, Color=Green, ComponentLink1Description=Datasheet, ComponentLink1URL=http://optoelectronics.liteon.com/upload/download/DS22-2007-0094/LTST-C193KGKT-5A.PDF, ComponentLink2Description="DigiKey Link", ComponentLink2URL=http://digikey.com/product-detail/en/lite-on-inc/LTST-C193KGKT-5A/160-1828-1-ND/2356247, Configuration=Standard, Height (Max)=0.45mm, LastUpdated="9/2/2020 1:20:41 AM", Lens Size="1.15mm x 0.80mm", Lens Style="Rectangle with Flat Top", Lens Transparency=Clear, Lifecycle Status=Active, Minimum Order=1, Mounting Type="Surface Mount", Package / Case="0603 (1608 Metric)", Packaging=TapeAndReel, PartId=694, Part Number=LTST-C193KGKT-5A, Part Status=Active, Price=0.06, Series=-, Size / Dimension="1.60mm L x 0.80mm W", Supplier 1=DigiKey, Viewing Angle=130°, Wavelength - Dominant=572nm, Wavelength - Peak=574nm
D2: library part CMP-14436-000006-1, "TVS DIODE 24V 50V SC70-3"